# Altium PCB PCB-G-1.PcbDoc (part 2 of 2) (continued)
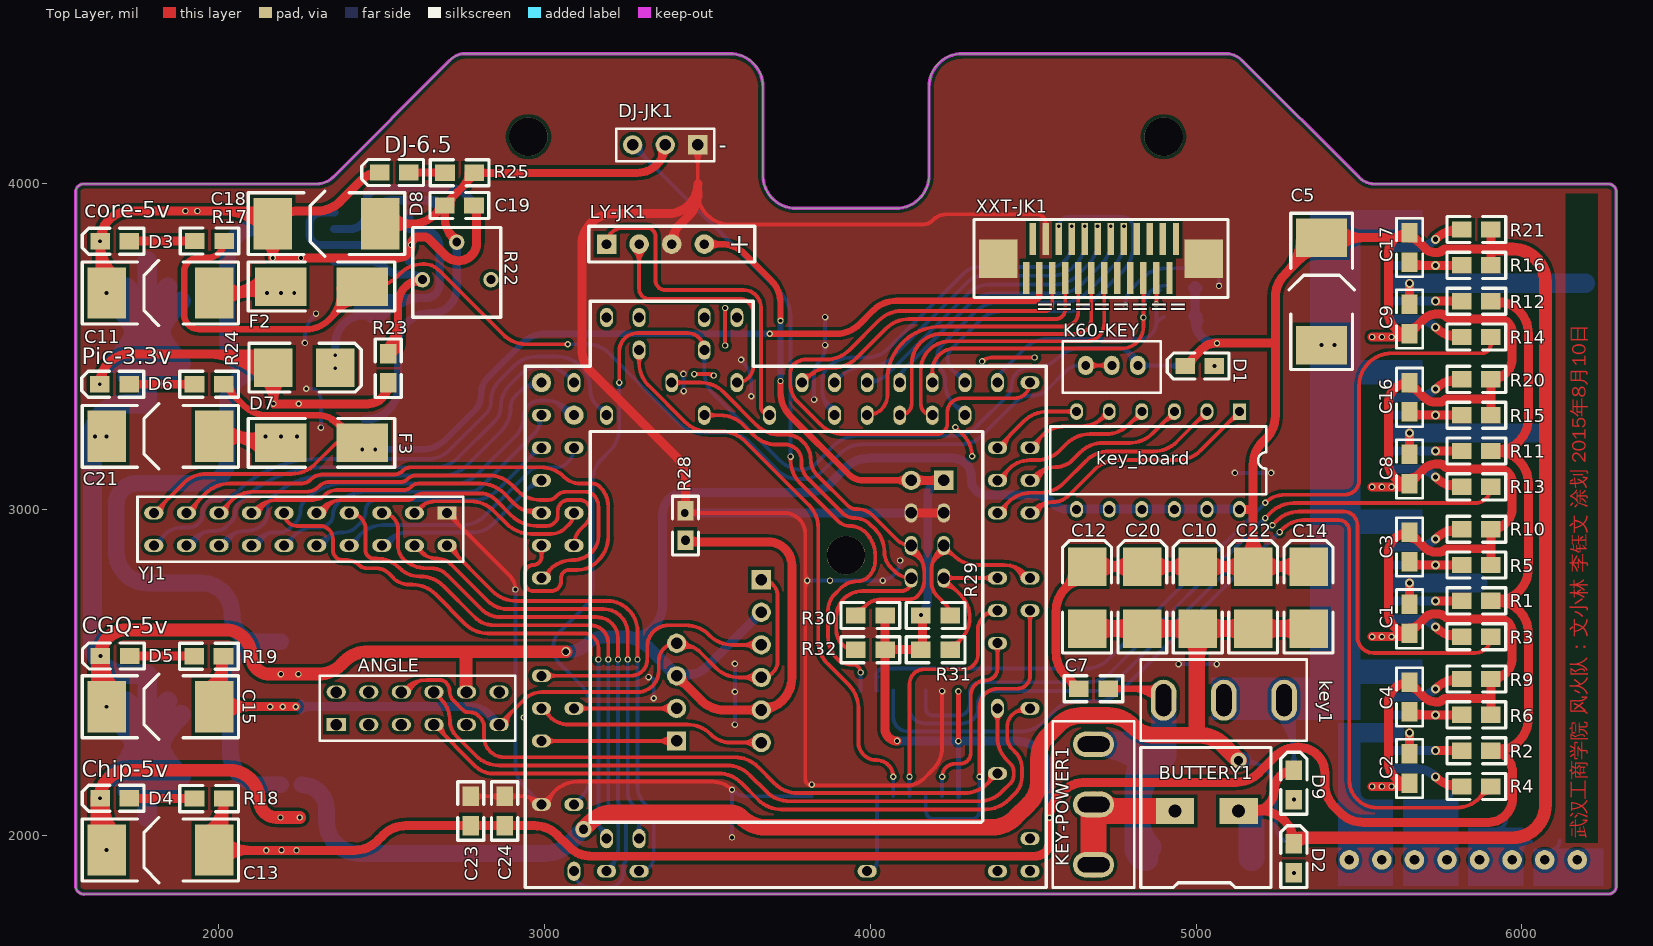
[diagram p0: Top Layer view]
## Nets (pads, with @x,y where several pads share a name; then routed paths per layer and width w, separated by ;. In a path a pad name is that pad's centre, name@x,y a point inside that pad or via, vN(x,y) a via of type N, cw(c..) or ccw(c..) an arc to the next point about the centre after c; other vN are vias at no path point) (continued)
PTB3: pad.90 XXT-JK1.11 | length 912.7
  Top Layer w11.81: pad.90@4090,3290 ccw(c4090,3327) 4127,3327 4127,3447.77 cw(c4219,3447.77) 4219,3539.77 4631.66,3539.77 ccw(c4631.66,3586.12) 4678,3586.12 XXT-JK1.11@4678,3690
PTB4: pad.93 XXT-JK1.10 | length 1010.8
  Bottom Layer w11.81: pad.93@3890,3390 3909.71,3409.71 ; pad.93@3899.66,3409.67 ccw(c3904.66,3414.76) 3909.71,3409.71 ; v1(4658,3870) 4658,3821.42 cw(c4558,3821.42) 4628.71,3750.71 4625.29,3747.29 cw(c4554.58,3818) 4554.58,3718 4344,3718 ccw(c4344,3655.23) 4299.62,3699.62 4068.29,3468.29 cw(c3997.58,3539) 3997.58,3439 3980.42,3439 ccw(c3980.42,3339) 3909.71,3409.71
PTB5: pad.92 XXT-JK1.9 | length 932.2
  Top Layer w11.81: pad.92@3990,3290 ccw(c3990,3352) 4052,3352 4052,3398.11 cw(c4215.9,3398.11) 4215.9,3562.01 4594.01,3562.01 ccw(c4594.01,3606) 4638,3606 XXT-JK1.9@4638,3690
PTB6: pad.94 XXT-JK1.8 | length 1197
  Bottom Layer w11.81: 3856.55,3341.55 ccw(c3909.34,3372.03) pad.94@3893.57,3313.15 ; 3870.81,3316.86 ccw(c3898.91,3333.08) pad.94@3890.51,3301.74 ; pad.94@3890,3290 3881.29,3298.71 cw(c3952,3369.42) 3852,3369.42 3852,3394.95 cw(c3912.47,3394.95) 3869.71,3437.71 cw(c3940.42,3367) 3940.42,3467 3986.58,3467 ccw(c3986.58,3567) 4057.29,3496.29 4286.2,3725.2 cw(c4334,3677.4) 4334,3745 4553.96,3745 ccw(c4553.96,3803.04) 4595,3762 ccw(c4539.47,3817.53) 4618,3817.53 v1(4618,3870)
PTB7: pad.95 XXT-JK1.7 | length 1020.2
  Top Layer w11.81: pad.95@3790,3390 3806.71,3406.71 cw(c3877.42,3336) 3877.42,3436 3886.58,3436 ccw(c3886.58,3536) 3957.29,3465.29 4047.71,3555.71 cw(c4118.42,3485) 4118.42,3585 4568,3585 ccw(c4568,3615) 4598,3615 XXT-JK1.7@4598,3690 ; pad.95@3792.73,3413.35 ccw(c3801.68,3457.76) 3826.75,3420.02 ; pad.95@3803.51,3397.12 cw(c3824.32,3392.92) 3812.57,3410.6
PTB18: BMQ1.6 pad.103 R30.2 | length 1511.5
  Top Layer w11.81: pad.103@3390,3390 3478.58,3390 cw(c3478.58,3290) 3549.29,3360.71 3650.71,3259.29 ccw(c3721.42,3330) 3721.42,3230 3744.13,3230 cw(c3744.13,3165.13) 3790,3211 3795.08,3205.92 cw(c3742.16,3153) 3817,3153 ccw(c3882.18,3153) 3836.09,3106.91 3930.39,3012.61 ccw(c3956,3038.21) 3956,3002 3960.13,3002 cw(c3960.13,2937.13) 4006,2983 4080.62,2908.38 ccw(c4125,2952.77) BMQ1.6@4125,2890 4135.71,2879.29 cw(c4065,2808.58) 4165,2808.58 4165,2783.28 cw(c4096.72,2783.28) 4145,2735 cw(c4120.86,2759.14) 4120.86,2725 4036.21,2725 ccw(c4036.21,2649.64) 3982.93,2702.93 ; pad.103@3399.74,3380.26 cw(c3423.27,3356.73) 3423.27,3390 cw(c3423.27,3423.27) pad.103@3399.74,3399.74 ; R30.2@3955,2675 3982.93,2702.93 ; R30.2@3960.6,2694.09 ccw(c3961.54,2724.31) 3982.93,2702.93 ; R30.2@3978.01,2681.33 cw(c3997.63,2688.23) 3982.93,2702.93 ; BMQ1.6@4121.62,2866.8 cw(c4106.11,2805.57) 4160.37,2837.9 ; BMQ1.6@4124.52,2878.25 cw(c4116.01,2844.66) 4145.78,2862.4
PTB19: BMQ1.8 pad.102 R32.2 | length 1428.4
  Top Layer w11.81: pad.102@3490,3290 3538.58,3290 cw(c3538.58,3190) 3609.29,3260.71 3640.71,3229.29 ccw(c3711.42,3300) 3711.42,3200 3736.37,3200 cw(c3736.37,3145.37) 3775,3184 cw(c3743.62,3152.62) 3788,3152.62 3788,3144.28 ccw(c3856.28,3144.28) 3808,3096 3913.74,2990.26 ccw(c3953,3029.53) 3953,2974 cw(c3953,2908.82) 3999.09,2954.91 4013.71,2940.29 cw(c3943,2869.58) 4043,2869.58 ccw(c4109.58,2869.58) 4062.5,2822.5 4073.79,2811.21 ccw(c4125,2862.43) BMQ1.8@4125,2790 ; pad.102@3499.74,3280.26 cw(c3523.27,3256.73) 3523.27,3290 cw(c3523.27,3323.27) pad.102@3499.74,3299.74 ; R32.2@3930,2580 ccw(c3954.14,2604.14) 3954.14,2570 cw(c3954.14,2629.14) 3895,2629.14 3895,2670 cw(c3975,2670) 3975,2750 4095,2750 ccw(c4095,2780) 4125,2780 BMQ1.8@4125,2790 ; R32.2@3930.96,2568.54 ccw(c3919.91,2567.7) 3922.78,2578.4 ccw(c3925.99,2590.38) R32.2@3935.44,2582.36 ; BMQ1.8@4123.85,2791.15 BMQ1.8@4125,2790
PTC0: pad.108 YJ1.20 | length 1811.9
  Bottom Layer w11.81: YJ1.20@1800,2890 1833.79,2923.79 ; YJ1.20@1823.46,2892.12 cw(c1859.78,2897.79) 1833.79,2923.79 ; pad.108@3186.19,3313.08 cw(c3178.89,3338.47) 3160.21,3319.79 ; pad.108@3190,3290 3160.21,3319.79 ; 1833.79,2923.79 cw(c1885,2872.57) 1885,2945 1903.79,2945 ccw(c1903.79,2996.21) 1940,2960 ccw(c1915.86,2984.14) 1950,2984.14 1950,2990.62 cw(c1994.38,2990.62) 1963,3022 cw(c1982.31,3002.69) 1982.31,3030 1999.89,3030 ccw(c1999.89,3105.11) 2053,3052 cw(c2301.66,2803.34) 2301.66,3155 2638.58,3155 ccw(c2638.58,3255) 2709.29,3184.29 2820.86,3295.86 ccw(c2786.72,3330) 2835,3330 cw(c2931.57,3330) 2863.28,3398.28 2905.71,3440.71 cw(c2976.42,3370) 2976.42,3470 3038.58,3470 cw(c3038.58,3370) 3109.29,3440.71 3110.71,3439.29 cw(c3040,3368.58) 3140,3368.58 ccw(c3208.99,3368.58) 3160.21,3319.79
PTC1: pad.109 YJ1.18 | length 1547.9
  Bottom Layer w11.81: YJ1.18@1900,2890 1915.71,2905.71 cw(c1986.42,2835) 1986.42,2935 1990,2935 ccw(c1990,2983.28) 2024.14,2949.14 2037.68,2962.68 ccw(c2007.93,2992.43) 2050,2992.43 cw(c2092.43,2992.43) 2062.43,3022.43 cw(c2322.13,2762.72) 2322.13,3130 2663.58,3130 ccw(c2663.58,3230) 2734.29,3159.29 2847.32,3272.32 ccw(c2804.64,3315) 2865,3315 cw(c2961.57,3315) 2893.28,3383.28 2921.72,3411.72 cw(c2990,3343.43) 2990,3440 2998.58,3440 cw(c2998.58,3340) 3069.29,3410.71 ; YJ1.18@1911.77,2889.59 cw(c1949.68,2881.61) 1928.52,2914.06 ; YJ1.18@1923.33,2887.16 cw(c1989.14,2873.3) 1952.4,2929.64 ; pad.109@3081,3410.28 cw(c3075.38,3416.8) 3069.29,3410.71 ; pad.109@3090,3390 3069.29,3410.71
PTC2: pad.111 YJ1.16 | length 1387.1
  Bottom Layer w11.81: YJ1.16@2000,2890 2015.71,2905.71 cw(c2086.42,2835) 2086.42,2935 ; YJ1.16@2011.77,2889.59 cw(c2049.68,2881.61) 2028.52,2914.06 ; YJ1.16@2023.33,2887.16 cw(c2089.14,2873.3) 2052.4,2929.64 ; pad.111@2968.49,3399.76 cw(c2931.09,3416.74) 2941.72,3377.06 cw(c2952.35,3337.39) pad.111@2976.25,3370.79 ; pad.111@2990,3390 ccw(c2990,3293.43) 2921.72,3361.72 2911.67,3351.67 ccw(c2951.92,3311.42) 2895,3311.42 cw(c2795,3311.42) 2865.71,3240.71 2759.29,3134.29 cw(c2688.58,3205) 2688.58,3105 2328.99,3105 ccw(c2328.99,2866.01) 2160,3035 ccw(c2184.14,3010.86) 2150,3010.86 2150,2990.92 cw(c2099.5,2990.92) 2135.21,2955.21 cw(c2086.42,3003.99) 2086.72,2935 ; 2086.42,2935 ccw(c2086.42,3003.99) 2086.72,2935 ; 2086.42,2935 2086.72,2935
PTC3: pad.110 YJ1.14 | length 1433.4
  Bottom Layer w11.81: YJ1.14@2100,2890 2118.79,2908.79 cw(c2170,2857.57) 2170,2930 2183.79,2930 ccw(c2183.79,2981.21) 2219.99,2944.99 2235.86,2960.86 ccw(c2201.72,2995) 2250,2995 cw(c2298.28,2995) 2264.14,3029.14 cw(c2386.92,2906.36) 2386.92,3080 2723.58,3080 ccw(c2723.58,3180) 2794.29,3109.29 2910.25,3225.25 ccw(c2850.5,3285) 2935,3285 cw(c2983.28,3285) 2949.14,3319.14 cw(c2987.43,3280.86) 2987.43,3335 3003.58,3335 cw(c3003.58,3235) 3074.29,3305.71 pad.110@3090,3290 ; YJ1.14@2111.75,2889.52 cw(c2153.86,2879.02) 2131.95,2916.49 ; YJ1.14@2123.21,2886.67 cw(c2191.89,2869.54) 2156.16,2930.64 ; 3031.46,3330.44 cw(c2993.13,3264.04) pad.110@3067.18,3283.89 ; 3055.51,3316.55 ccw(c3074.21,3348.94) pad.110@3083.89,3312.82 ; 3056.16,3316.18 cw(c3032.08,3274.48) pad.110@3078.59,3286.94
PTC4: pad.112 YJ1.12 | length 1022.7
  Bottom Layer w11.81: YJ1.12@2200,2890 2230.81,2920.81 ; YJ1.12@2223.21,2893.35 cw(c2251.24,2900.37) 2230.81,2920.81 ; pad.112@2975.8,3276.93 cw(c2972.33,3266.5) 2982.94,3263.66 ; pad.112@2990,3290 cw(c2905.5,3290) 2965.25,3230.25 2804.99,3069.99 cw(c2768.79,3106.21) 2768.79,3055 2449.85,3055 ccw(c2449.85,2934.64) 2364.75,3019.75 ccw(c2400.36,2984.14) 2350,2984.14 cw(c2315.86,2984.14) 2340,2960 cw(c2303.79,2996.21) 2303.79,2945 2289.21,2945 ccw(c2289.21,2862.41) 2230.81,2920.81
PTC5: pad.1@2990,3190 YJ1.10 | length 949.1
  Bottom Layer w11.81: YJ1.10@2300,2890 2311.72,2901.72 cw(c2380,2833.43) 2380,2930 ccw(c2380,2990.36) 2422.68,2947.68 2435.86,2960.86 ccw(c2401.72,2995) 2450,2995 cw(c2486.21,2995) 2460.61,3020.61 cw(c2483.28,2997.93) 2483.28,3030 2783.58,3030 ccw(c2783.58,3130) 2854.29,3059.29 2981.46,3186.46 cw(c2990,3177.93) pad.1@2990,3190 ; YJ1.10@2311.75,2889.52 cw(c2346.5,2880.7) 2328.16,2911.51 ; YJ1.10@2323.2,2886.61 cw(c2385.59,2870.79) 2352.66,2926.09 ; 2953.21,3158.21 ccw(c2921.42,3190) pad.1@2966.38,3190 ; 2964.9,3169.9 cw(c2980.16,3154.64) pad.1@2980.16,3176.22
PTC6: pad.2@3090,3190 YJ1.8 | length 848.2
  Bottom Layer w11.81: YJ1.8@2400,2890 2433.11,2923.11 ; YJ1.8@2423.41,2892.39 cw(c2457.79,2898.43) 2433.11,2923.11 ; pad.2@3090,3190 cw(c3029.64,3190) 3072.32,3147.32 3065,3140 cw(c3040.86,3164.14) 3040.86,3130 2980,3130 ccw(c2980,3093.79) 2954.39,3119.39 2816.69,2981.69 cw(c2745.98,3052.4) 2745.98,2952.4 2503.82,2952.4 ccw(c2503.82,2852.4) 2433.11,2923.11
PTC7: pad.3@2990,3090 YJ1.6 | length 692.4
  Bottom Layer w11.81: YJ1.6@2500,2890 2510.71,2900.71 cw(c2581.42,2830) 2581.42,2930 2779.64,2930 ccw(c2779.64,3015.36) 2840,2955 2964.39,3079.39 cw(c2990,3053.79) pad.3@2990,3090 ; YJ1.6@2511.75,2889.52 cw(c2545.34,2881.01) 2527.6,2910.78 ; YJ1.6@2523.2,2886.62 cw(c2584.43,2871.11) 2552.1,2925.37 ; 2947.83,3062.83 cw(c2980.16,3030.5) pad.3@2980.16,3076.22 ; 2960.28,3075.28 ccw(c2945.56,3090) pad.3@2966.38,3090
PTC9: pad.5@2990,2990 YJ1.13 | length 1083.8
  Top Layer w11.81: YJ1.13@2106.93,2996.93 YJ1.13@2100,2990 YJ1.13@2110.71,3000.71 ; YJ1.13@2110.28,3000.28 YJ1.13@2110.71,3000.71 ; YJ1.13@2111.75,2989.52 cw(c2145.34,2981.01) 2127.6,3010.78 ; YJ1.13@2123.2,2986.62 cw(c2184.43,2971.11) 2152.1,3025.37 ; 2945.52,2998.22 ccw(c2954.92,3033.54) pad.5@2973.25,3001.92 ; 2950,2997.03 cw(c2942.29,2968.05) pad.5@2968.24,2983.09 ; pad.5@2990,2990 2976.42,2990 cw(c2976.42,3090) 2905.71,3019.29 2874.29,3050.71 ccw(c2803.58,2980) 2803.58,3080 2614.14,3080 ccw(c2614.14,3045.86) 2590,3070 cw(c2565.86,3094.14) 2565.86,3060 2361.21,3060 ccw(c2361.21,3008.79) 2325,3045 cw(c2288.79,3081.21) 2288.79,3030 2181.42,3030 ccw(c2181.42,2930) YJ1.13@2110.71,3000.71
PTC10: pad.6@3090,2990 YJ1.3 | length 597.3
  Top Layer w11.81: YJ1.3@2600,2990 2614.79,3004.79 cw(c2665,2954.59) 2665,3025.59 2772.99,3025.59 cw(c2772.99,2925.59) 2843.7,2996.3 2882.86,2957.14 ccw(c2959.03,3033.32) 2959.03,2925.59 3018.57,2925.59 ccw(c3018.57,2990.81) 3064.69,2944.69 3075.86,2955.86 ccw(c3041.72,2990) pad.6@3090,2990 ; YJ1.3@2611.77,2989.58 cw(c2646.46,2982.09) 2628.71,3012.83
PTC11: pad.7@2990,2890 YJ1.17 | length 2124.6
  Top Layer w11.81: YJ1.17@1900,2990 1960.71,3050.71 cw(c2031.42,2980) 2031.42,3080 2248.79,3080 ccw(c2248.79,3131.21) 2285,3095 cw(c2315.04,3064.96) 2315.04,3107.44 2534.68,3107.44 ccw(c2534.68,3150.32) 2565,3120 cw(c2589.14,3095.86) 2589.14,3130 2988.58,3130 cw(c2988.58,3030) 3059.29,3100.71 ccw(c3109.29,3150.71) 3109.29,3080 3145.86,3080 cw(c3145.86,3045.86) 3170,3070 cw(c3109.64,3009.64) 3195,3009.64 3195,2916.42 cw(c3095,2916.42) 3165.71,2845.71 3159.75,2839.75 cw(c3100,2899.5) 3100,2815 3075,2815 ccw(c3075,2790) 3050,2790 3050,2780 cw(c3020,2780) 3020,2750 2965,2750 cw(c2965,2775) 2940,2775 2940,2805 cw(c2965,2805) 2965,2830 ccw(c2965,2855) 2990,2855 pad.7@2990,2890 ; YJ1.17@1911.81,2990 cw(c1940.33,2990) 1920.16,3010.16 ; YJ1.17@1923.62,2990 cw(c1980.65,2990) 1940.33,3030.33 ; pad.7@2980.26,2880.26 cw(c2956.73,2856.73) 2990,2856.73 cw(c3023.27,2856.73) pad.7@2999.74,2880.26
PTC12: pad.8 YJ1.9 | length 1170
  Top Layer w11.81: YJ1.9@2307.08,2982.92 YJ1.9@2300,2990 2310.71,3000.71 cw(c2381.42,2930) 2381.42,3030 2582.93,3030 ccw(c2582.93,3047.07) 2595,3035 cw(c2631.21,2998.79) 2631.21,3050 2801.72,3050 cw(c2801.72,2981.72) 2850,3030 2897.39,2982.61 ccw(c2976.12,3061.33) 2976.12,2950 3005.86,2950 ccw(c3005.86,2984.14) 3030,2960 3032.93,2962.93 ccw(c3015.86,2980) 3040,2980 3040,2995.86 cw(c3074.14,2995.86) 3050,3020 cw(c3074.14,2995.86) 3074.14,3030 3105.86,3030 cw(c3105.86,2995.86) 3130,3020 cw(c3105.86,2995.86) 3140,2995.86 3140,2991.21 cw(c3088.79,2991.21) 3125.01,2955.01 3111.21,2941.21 ccw(c3162.43,2890) pad.8@3090,2890 ; YJ1.9@2311.75,2989.52 cw(c2345.34,2981.01) 2327.6,3010.78 ; YJ1.9@2323.2,2986.62 cw(c2384.43,2971.11) 2352.1,3025.37
PTC13: pad.9 YJ1.15 | length 1664.2
  Top Layer w11.81: YJ1.15@2000,2990 2035.71,3025.71 ; YJ1.15@2011.8,2990.2 cw(c2033.85,2992.5) 2018.18,3008.18 ; YJ1.15@2023.55,2991.43 cw(c2065.62,2995.8) 2035.71,3025.71 ; pad.9@2990,2790 3016.97,2816.97 ; pad.9@3012.59,2795.22 cw(c3031.12,2802.81) 3016.97,2816.97 ; 2035.71,3025.71 cw(c2106.42,2955) 2106.42,3055 2268.79,3055 ccw(c2268.79,3106.21) 2305,3070 cw(c2341.21,3033.79) 2341.21,3085 2557.93,3085 ccw(c2557.93,3114.14) 2578.54,3093.54 2579.39,3094.39 cw(c2605,3068.79) 2605,3105 2828.58,3105 cw(c2828.58,3005) 2899.29,3075.71 2916.72,3058.28 ccw(c2985,3126.57) 2985,3030 3010.86,3030 ccw(c3010.86,3064.14) 3035,3040 3039.39,3044.39 cw(c3065,3018.79) 3065,3055 3125.86,3055 cw(c3125.86,3020.86) 3150,3045 cw(c3113.79,3008.79) 3165,3008.79 3165,2918.28 cw(c3096.72,2918.28) 3145,2870 cw(c3084.64,2930.36) 3084.64,2845 ccw(c3084.64,2749.29) 3016.97,2816.97
PTD10: pad.27 YJ1.5 | length 1881.9
  Top Layer w11.81: YJ1.5@2510.71,2979.29 YJ1.5@2500,2990 cw(c2500,2940) 2550,2940 2550,2886.21 ccw(c2601.21,2886.21) 2565,2850 2565.71,2849.29 ccw(c2636.42,2920) 2636.42,2820 2651.72,2820 cw(c2651.72,2751.72) 2700,2800 2805.25,2694.75 ccw(c2865,2754.5) 2865,2670 3160,2670 cw(c3160,2605) 3225,2605 v1(3225,2540)
  Bottom Layer w11.81: pad.27@3090,1890 ccw(c3139.09,1890) 3139.09,1840.91 3195,1840.91 ccw(c3195,1887.91) 3242,1887.91 3242,1907.34 cw(c3255.66,1907.34) 3246,1917 ccw(c3236.34,1926.66) 3250,1926.66 3250,2055 ccw(c3213.79,2055) 3239.39,2080.61 3235,2085 cw(c3259.14,2109.14) 3225,2109.14 v1(3225,2540)
PTD11: pad.29 YJ1.7 | length 1774.6
  Top Layer w11.81: YJ1.7@2400,2990 cw(c2400,2940) 2450,2940 2450,2875 ccw(c2475,2875) 2475,2850 2483.58,2850 cw(c2483.58,2750) 2554.29,2820.71 ccw(c2616.36,2882.78) 2616.36,2795 2618.58,2795 cw(c2618.58,2695) 2689.29,2765.71 2785.25,2669.75 ccw(c2845,2729.5) 2845,2645 3140,2645 cw(c3140,2590) 3195,2590 v1(3195,2540)
  Bottom Layer w11.81: pad.29@3190,1890 3200.71,1900.71 ccw(c3140.65,1960.78) 3225.59,1960.78 3225.59,2027.36 ccw(c3172.36,2027.36) 3210,2065 cw(c3246.21,2101.21) 3195,2101.21 v1(3195,2540) ; pad.29@3196.28,1903.31 ccw(c3191.73,1920.26) 3206.93,1911.49 ; pad.29@3213.15,1893.57 cw(c3260.47,1906.24) 3218.05,1930.74
PTD12: pad.30 YJ1.11 | length 1800.5
  Top Layer w11.81: YJ1.11@2200,2990 ccw(c2240,2990) 2240,2950 2310,2950 cw(c2310,2910) 2350,2910 2350,2875 ccw(c2380,2875) 2380,2845 2393.79,2845 cw(c2393.79,2793.79) 2430,2830 ccw(c2454.14,2854.14) 2454.14,2820 2483.79,2820 cw(c2483.79,2768.79) 2519.99,2805.01 2533.79,2791.21 ccw(c2585,2842.43) 2585,2770 2593.58,2770 cw(c2593.58,2670) 2664.29,2740.71 2755.71,2649.29 ccw(c2826.42,2720) 2826.42,2620 3120,2620 cw(c3120,2575) 3165,2575 v1(3165,2540)
  Bottom Layer w11.81: v1(3165,2540) 3165,2050.36 ccw(c3250.36,2050.36) pad.30@3190,1990 ; 3166.49,2030.72 ccw(c3196.97,2048.32) pad.30@3191.96,2013.48 ; 3175.05,2015.9 cw(c3160.79,2007.67) pad.30@3176.69,2003.41
PTD13: pad.31 YJ1.2 | length 1548.4
  Top Layer w11.81: YJ1.2@2700,2890 2840.71,2749.29 ccw(c2911.42,2820) 2911.42,2720 3191.27,2720 cw(c3191.27,2626.27) 3285,2626.27 v1(3285,2540) ; YJ1.2@2711.81,2890 ccw(c2740.33,2890) 2720.16,2869.84 ; YJ1.2@2723.62,2890 ccw(c2780.65,2890) 2740.33,2849.67
  Bottom Layer w11.81: v1(3285,2540) 3285,2148.28 ccw(c3353.28,2148.28) 3305,2100 3313.79,2091.21 cw(c3262.57,2040) 3335,2040 3335,1935 cw(c3290,1935) pad.31@3290,1890
PTD14: pad.32 YJ1.4 | length 1510.6
  Top Layer w11.81: YJ1.4@2610.71,2900.71 YJ1.4@2600,2890 2618.79,2871.21 ccw(c2670,2922.43) 2670,2850 cw(c2670,2789.64) 2712.68,2832.32 2825.25,2719.75 ccw(c2885,2779.5) 2885,2695 3180,2695 cw(c3180,2620) 3255,2620 v1(3255,2540) ; YJ1.4@2611.75,2890.48 ccw(c2653.86,2900.98) 2631.95,2863.51
  Bottom Layer w11.81: v1(3255,2540) 3255,2131.21 ccw(c3306.21,2131.21) 3270,2095 cw(c3221.72,2046.72) 3290,2046.72 pad.32@3290,1990 ; pad.32@3280.26,2009.59 ccw(c3256.73,2033.11) 3290,2033.11 ccw(c3323.27,2033.11) pad.32@3299.74,2009.59
PWM1: 74LS245.2 pad.68 | length 626.2
  Top Layer w11.81: v1(4220,2180) cw(c4260,2180) 4260,2220 4276,2220 ccw(c4276,2252) 4308,2252 4308,2430 cw(c4354,2430) 4354,2476 ccw(c4354,2512) 4390,2512 pad.68@4390,2590 ; pad.68@4380.26,2580.26 cw(c4356.73,2556.73) 4390,2556.73 cw(c4423.27,2556.73) pad.68@4399.74,2580.26
  Bottom Layer w11.81: 74LS245.2@4220,2120 v1(4220,2180)
PWM2: 74LS245.3 pad.69 | length 1031.4
  Top Layer w11.81: v1(4335,2180) 4335,2395 cw(c4390,2395) 4390,2450 4450,2450 ccw(c4450,2490) 4490,2490 pad.69@4490,2690 ; pad.69@4480.26,2680.26 cw(c4456.73,2656.73) 4490,2656.73 cw(c4523.27,2656.73) pad.69@4499.74,2680.26
  Bottom Layer w11.81: 74LS245.3@4170,2120 4170,2075 ccw(c4195,2075) 4195,2050 4310,2050 ccw(c4310,2075) 4335,2075 v1(4335,2180) ; 4171.96,2067.67 cw(c4185.95,2071.42) 74LS245.3@4173.41,2078.66
PWM3: 74LS245.4 pad.70 | length 810.3
  Top Layer w11.81: v1(4120,2180) 4120,2465 cw(c4165,2465) 4165,2510 4285,2510 ccw(c4285,2555) 4330,2555 4330,2630 cw(c4390,2630) pad.70@4390,2690 ; pad.70@4366.62,2692.55 cw(c4351.85,2695.33) 4355.74,2680.82 cw(c4361.39,2659.72) pad.70@4372.9,2678.29
  Bottom Layer w11.81: 74LS245.4@4120,2120 v1(4120,2180)
PWM4: 74LS245.5 pad.115 | length 1798.9
  Top Layer w11.81: pad.115@3281.37,3469.41 cw(c3266.93,3451.42) 3290,3451.42 ; pad.115@3290,3490 3290,3451.42 ; pad.115@3298.63,3469.41 ccw(c3313.07,3451.42) 3290,3451.42 ; v1(4070,2180) ccw(c4019,2180) 4019,2231 4018,2231 cw(c4018,2286) 3963,2286 3963,2390.58 ccw(c3863,2390.58) 3933.71,2461.29 3869.29,2525.71 cw(c3940,2596.42) 3840,2596.42 3840,2943.58 ccw(c3740,2943.58) 3810.71,3014.29 3614.29,3210.71 ccw(c3543.58,3140) 3543.58,3240 3501.42,3240 cw(c3501.42,3340) 3430.71,3269.29 3319.29,3380.71 cw(c3390,3451.42) 3290,3451.42
  Bottom Layer w11.81: 74LS245.5@4070,2120 v1(4070,2180)
PWM_DJ: 74LS245.6 pad.45 | length 247.1
  Bottom Layer w11.81: pad.45@3990,1890 ccw(c3990,1920) 4020,1920 74LS245.6@4020,2120
RX: LY-JK1.2 pad.99 | length 863.6
  Top Layer w11.81: LY-JK1.2@3272.96,3797.96 cw(c3231.83,3756.83) 3290,3756.83 cw(c3348.17,3756.83) LY-JK1.2@3307.04,3797.96 ; LY-JK1.2@3290,3815 3290,3678 ccw(c3321,3678) 3321,3647 3598,3647 cw(c3598,3605) 3640,3605 3640,3440 cw(c3590,3440) pad.99@3590,3390
TX: LY-JK1.1 pad.98 | length 1046
  Top Layer w11.81: LY-JK1.1@3190,3815 cw(c3240,3815) 3240,3865 3315,3865 cw(c3315,3840) 3340,3840 3340,3704 ccw(c3370,3704) 3370,3674 3611,3674 cw(c3611,3621) 3664,3621 3664,3316 ccw(c3690,3316) pad.98@3690,3290
VCC7.2: C5.1 key1.2 key1.3 pad.7@5610,2480 pad.7@5610,2940 pad.7@5610,3400 pad.7@5610,3860 R27.1 | length 985.1
  Bottom Layer w11.81: key1.3@5246.34,2367.71 cw(c5116.78,2238.16) 5300,2238.16 ; key1.3@5254.69,2376.07 cw(c5145.3,2266.68) 5300,2266.68 ; key1.3@5263.04,2384.42 cw(c5173.81,2295.19) 5300,2295.19 ; key1.3@5270,2415 cw(c5270,2385) 5300,2385 R27.1@5300,2200 ; key1.3@5271.39,2392.77 cw(c5202.33,2323.7) 5300,2323.7 ; key1.3@5279.74,2401.12 cw(c5230.84,2352.22) 5300,2352.22 ; R27.1@5286.5,2218.5 ccw(c5253.9,2251.1) 5300,2251.1 ccw(c5346.1,2251.1) R27.1@5313.5,2218.5
  Bottom Layer w78.74: key1.2@5085,2415 key1.3@5270,2415
  other v1: 5385,3505 5425,3505
VCCIN7.2: C6.1 C7.2 F1.1 key1.1 KEY-POWER1.3 | length 1659.5
  Top Layer w19.68: C7.2@4730,2450 4865,2450 cw(c4865,2415) key1.1@4900,2415 ; C7.2@4745.72,2439.28 cw(c4771.59,2413.41) 4771.59,2450 cw(c4771.59,2486.59) C7.2@4745.72,2460.72 ; 4801.25,2450 cw(c4801.25,2339.87) key1.1@4879.12,2417.74 ; 4848.77,2450 cw(c4848.77,2387.39) key1.1@4893.04,2431.66 ; 4856.18,2450 ccw(c4856.18,2482.44) key1.1@4879.12,2459.5
  Bottom Layer w78.74: KEY-POWER1.3@4685,2280 4830,2280 cw(c4830,2230) F1.1@4880,2230 ; KEY-POWER1.3@4692.08,2280 cw(c4692.08,2061.77) F1.1@4846.4,2216.08 ; 4820,2045.49 ccw(c4935.81,2045.49) C6.1@4853.92,1963.6 ; 4820,2085.15 cw(c5005.17,2085.15) F1.1@4874.23,2216.08 ; 4820,2157.72 cw(c4873.86,2157.72) F1.1@4863.94,2210.65 ; C6.1@4845,1930 cw(c4845,1950) 4825,1950 cw(c4825,1955) 4820,1955 4820,2170 cw(c4880,2170) F1.1@4880,2230 ; key1.1@4900,2415 4900,2250 cw(c4880,2250) F1.1@4880,2230
ZOUT: ANGLE.7 pad.63 | length 2345
  Top Layer w11.81: ANGLE.7@2660,2340 2788.08,2211.92 ccw(c2841,2264.84) 2841,2190 3533.58,2190 cw(c3533.58,2090) 3604.29,2160.71 3655.71,2109.29 ccw(c3726.42,2180) 3726.42,2080 4352.07,2080 ccw(c4352.07,2183.64) 4425.35,2110.35 4443.79,2128.79 ccw(c4392.57,2180) 4465,2180 4465,2206.72 ccw(c4396.72,2206.72) 4445,2255 4434.14,2265.86 cw(c4468.28,2300) 4420,2300 4420,2333.79 cw(c4471.21,2333.79) 4435,2370 cw(c4483.28,2321.72) pad.63@4483.28,2390 ; ANGLE.7@2671.81,2340 ccw(c2700.33,2340) 2680.16,2319.84 ; ANGLE.7@2683.62,2340 ccw(c2740.65,2340) 2700.33,2299.67 ; 4447.79,2380.49 ccw(c4439.38,2411.88) pad.63@4468.02,2396.52 ; 4450.12,2381.11 cw(c4458.02,2351.65) pad.63@4473.27,2378.07 ; pad.63@4476.21,2390 pad.63@4483.28,2390 ; pad.63@4490,2390 pad.63@4483.28,2390
pads on no net: 74LS245.7 74LS245.8 74LS245.9 74LS245.11 74LS245.12 74LS245.13 ANGLE.1 ANGLE.2 ANGLE.3 ANGLE.4 ANGLE.5 ANGLE.9 ANGLE.12 R22.3 XXT-JK1.1 XXT-JK1.2 XXT-JK1.15 XXT-JK1.17 XXT-JK1.18 XXT-JK1.20 XXT-JK1.22 XXT-JK1.23 XXT-JK1.24
copper on no net:
  other v1: 2936,2362

## Polygon pours and split planes (outlines as drawn)
AGND on Bottom Layer "Bottom Layer-No Net" (solid, remove dead copper, pour order 17): 1537,4477 1521.29,4461.29 ccw(c1592,4390.58) 1492,4390.58 1492,1795 6308.58,1795 cw(c6308.58,1695) 6379.29,1765.71 6385,1760 cw(c6433.28,1808.28) 6365,1808.28 6365,4417
OUT4 on Bottom Layer "Bottom Layer-No Net" (solid, remove dead copper, pour order 14): 6110,3900 6245,3900 6250,3900 6250,1845 6115,1845 ccw(c6115,1840) 6110,1840
OUT2 on Bottom Layer "Bottom Layer-No Net" (solid, remove dead copper, pour order 12): 5915,2980 5780,2980 5780,2040 5915,2040
OUT1 on Bottom Layer "Bottom Layer-No Net" (solid, remove dead copper, pour order 8): 6080,3440 5945,3440 5945,1975 6080,1975
DGND on Top Layer "Bottom Layer-No Net" (solid, remove dead copper, pour order 15): 1485,4505 1485,1803.42 ccw(c1585,1803.42) 1514.29,1732.71 1547,1700 1552.71,1705.71 cw(c1623.42,1635) 1623.42,1735 6355,1735 6355,4430.79 cw(c6406.21,4430.79) 6370,4467

## Keep-outs
Keep-Out Layer:
  lines w10: 1560,1844.68 ccw(c1585,1844.68) 1585,1819.68 6265,1820 ccw(c6265,1845) 6290,1845 6290,3975 ccw(c6265,3975) 6265,4000 5550,4000 5548.28,4000 cw(c5548.28,4068.28) 5500,4020 5140,4380 ccw(c5091.72,4331.72) 5091.72,4400 5090,4400 4522.5,4400 4282.43,4400 ccw(c4282.43,4297.57) 4180,4297.57 4180,4027.43 cw(c4077.57,4027.43) 4077.57,3925 3925,3925 3771.83,3925 cw(c3771.83,4026.83) 3670,4026.83 3670,4297.57 ccw(c3567.57,4297.57) 3567.57,4400 3327.5,4400 2755,4400 ccw(c2755,4339.64) 2712.32,4382.32 2707.5,4377.5 2352.5,4022.5 2351.21,4021.21 cw(c2300,4072.43) 2300,4000 1585,4000 ccw(c1585,3975) 1560,3975 1560,1845 1560,1844.68 ; 2595,-10250.32 ccw(c2620,-10250.32) 2620,-10275.32 7300,-10275 ccw(c7300,-10250) 7325,-10250 7325,-8120 ccw(c7300,-8120) 7300,-8095 6585,-8095 6583.28,-8095 cw(c6583.28,-8026.72) 6535,-8075 6175,-7715 ccw(c6126.72,-7763.28) 6126.72,-7695 6125,-7695 5557.5,-7695 5317.43,-7695 ccw(c5317.43,-7797.43) 5215,-7797.43 5215,-8067.57 cw(c5112.57,-8067.57) 5112.57,-8170 4960,-8170 4806.83,-8170 cw(c4806.83,-8068.17) 4705,-8068.17 4705,-7797.43 ccw(c4602.57,-7797.43) 4602.57,-7695 4362.5,-7695 3790,-7695 ccw(c3790,-7755.36) 3747.32,-7712.68 3742.5,-7717.5 3387.5,-8072.5 3386.21,-8073.79 cw(c3335,-8022.57) 3335,-8095 2620,-8095 ccw(c2620,-8120) 2595,-8120 2595,-10250 2595,-10250.32

## Other copper
Top Layer:
  text "武汉工商学院 风火队：文小林 李钰文 涂划 2015年8月10日" at 6211,1991 h75 r90
Bottom Layer:
  rectangle net VCC7.2: 5500,3845 5695,3920
  rectangle net VCC7.2: 5500,3385 5695,3460
  rectangle net VCC7.2: 5500,2925 5695,3000
  rectangle net VCC7.2: 5500,2465 5695,2540
  rectangle net VCC7.2: 5045,2355 5505,2485
  rectangle net VCC7.2: 5350,2355 5505,3920
  rectangle net OUT3: 5435,2100 5505,2345
  rectangle net OUT3: 5435,1845 5605,2110
  rectangle net OUT2: 5635,1845 5805,2110
  rectangle net OUT1: 5835,1845 6005,2025
  rectangle net OUT4: 6035,1845 6250,1960

## Silkscreen, mask and mechanical layers (free items; w line width, h text height)
Top Overlay:
  lines w7.87: 4591,3359 4891,3359 4891,3517 4591,3517 4591,3359
  lines w10: 2940,1840 2940,3440 3140,3440 3140,3640 3640,3640 3640,3440 4540,3440 4540,1840 2940,1840 ; 3140,2040 4340,2040 4345,2045 4345,3240 3140,3240 3140,2040
  text "DJ-6.5" at 2507,4095 h50
  text "-" at 3535,4094 h50
  text "core-5v" at 1586,3896 h50
  text "+" at 3563,3787 h60
  text "========" at 4508,3602 h50
  text "K60-KEY" at 4592,3531 h40
  text "Pic-3.3v" at 1579,3447 h50
  text "CGQ-5v" at 1579,2619 h50
  text "Chip-5v" at 1579,2179 h50
Bottom Overlay:
  lines w10: 5510,2095 5510,2535 6265,2535 6265,2095 5510,2095 ; 5510,2555 5510,2995 6265,2995 6265,2555 5510,2555 ; 5510,3015 5510,3455 6265,3455 6265,3015 5510,3015 ; 5510,3475 5510,3915 6265,3915 6265,3475 5510,3475
  text "+" at 4021,3059 h60
  text "+" at 3564,2759 h60
  text "+" at 3300,2559 h60

## Dimensions
2595,-10275.32 to 7325,-10275.32 on Mechanical 1
1560,1819.68 to 6290,1819.68 on Mechanical 1